# Allegro board 08_041351d.brd (continued)
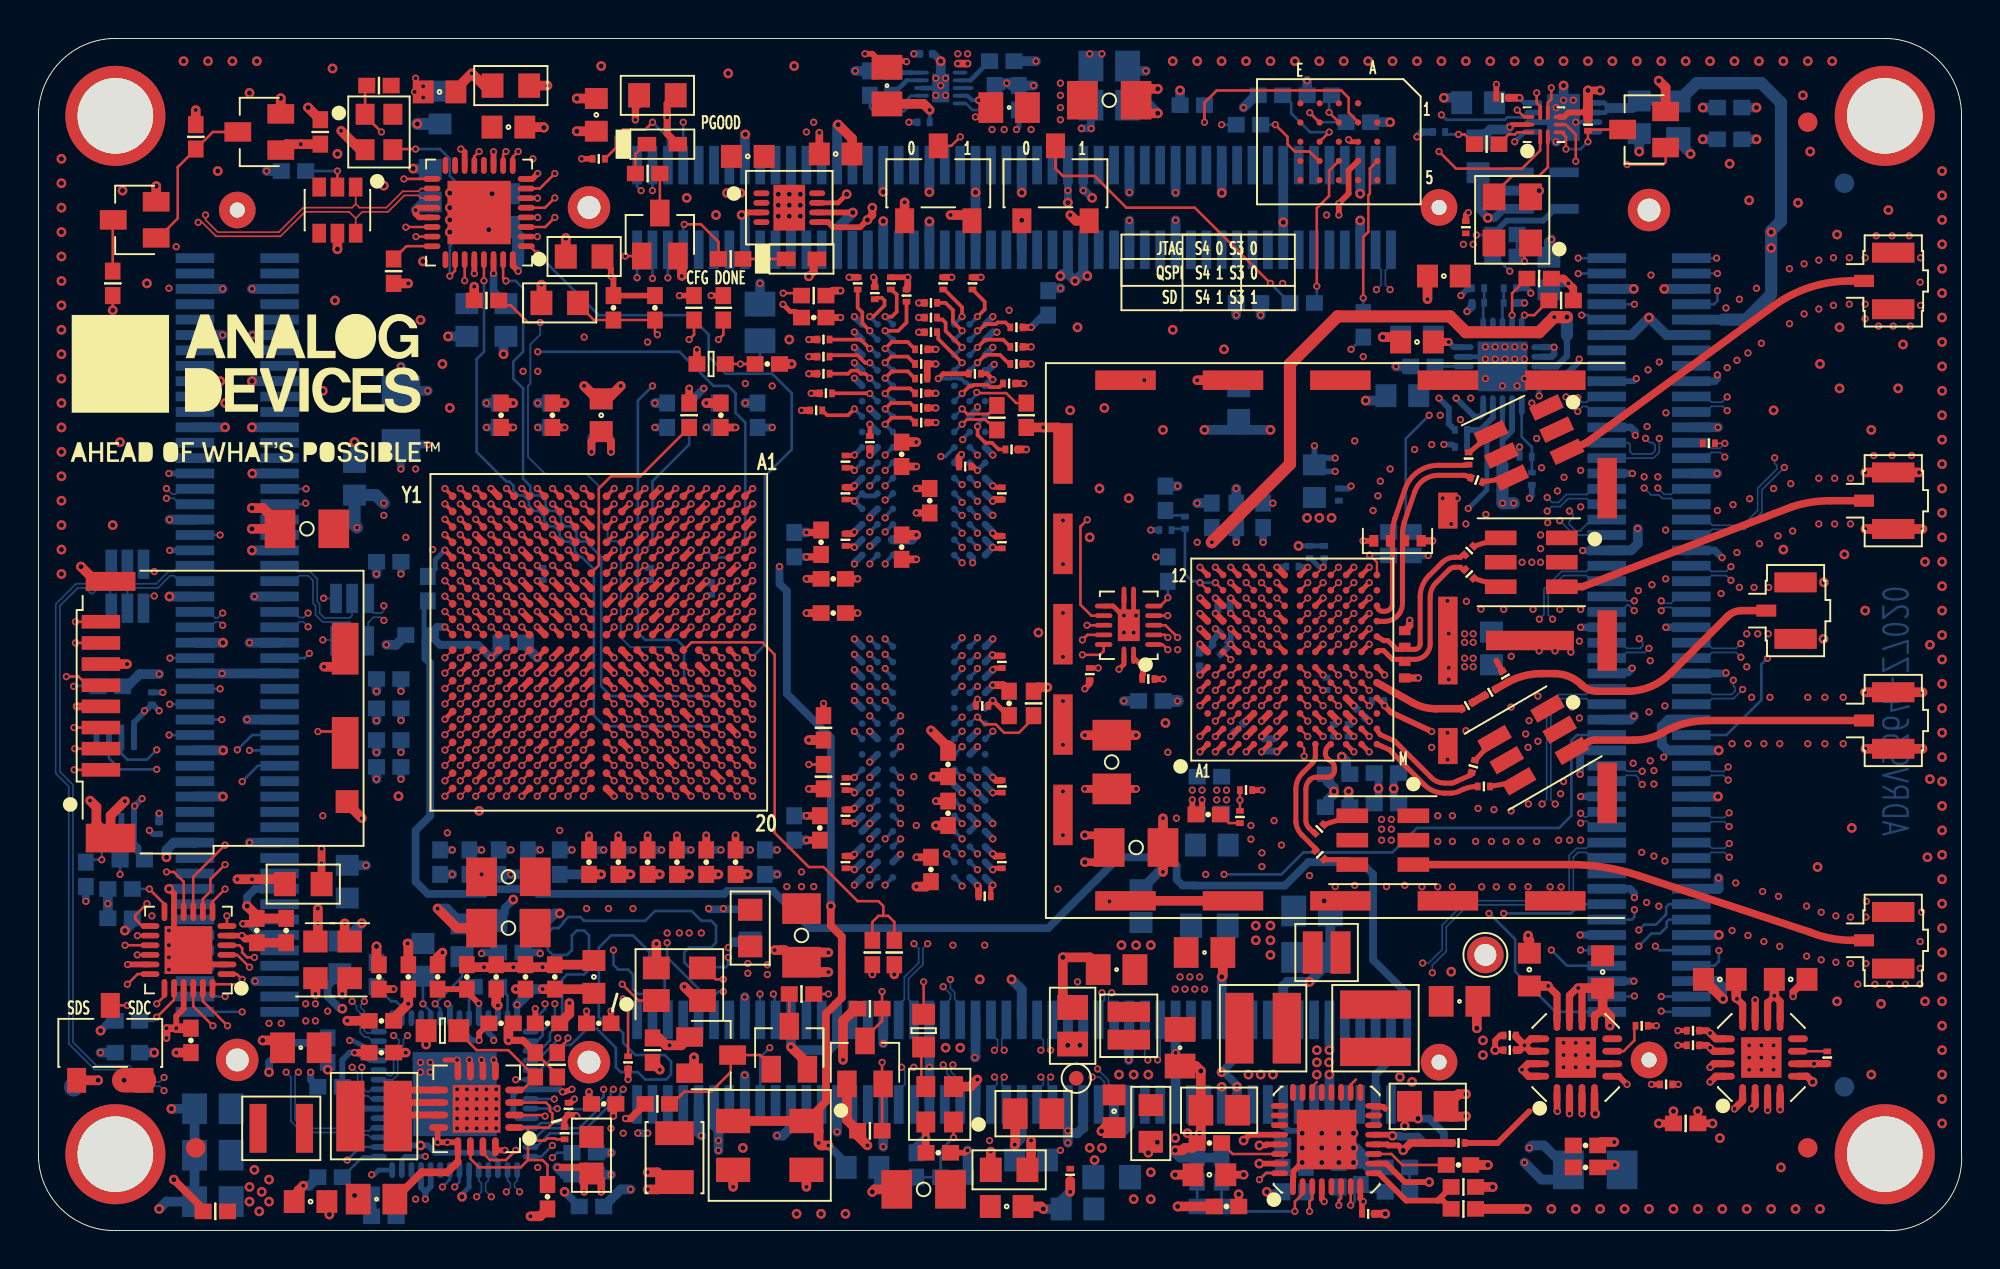
[diagram p0: board, top side]
## Routing (per net, layer and track width the routed paths; a pad name or vN(x,y) marks a point on that pad's centre or on a via; arc(x,y) is an arc through that point) (continued)
DDR3_DQ14: length 33
  TOP w0.197: U1.H1 v1(31.54,38.59)
  L12_SIGNAL w0.14: v1(31.54,38.59) 31.93,38.19 31.93,36.88 32.26,36.55 32.49,36.55 32.77,36.26 32.77,31.24 32.99,31.03 33.14,31.03 34.37,29.79 34.37,29.64 34.59,29.43 34.87,29.43 35.17,29.12 35.17,28.84 35.39,28.63 35.67,28.63 35.97,28.32 35.97,28.04 36.19,27.83 36.47,27.83 36.77,27.52 36.77,27.24 36.99,27.03 38.67,27.03 39.04,26.65 39.04,23.65 39.43,23.26 39.43,22.71 39.8,22.34 40.35,22.34 42.23,20.46 42.27,20.46 42.72,20 43.3,20 43.38,19.93 43.59,19.72 43.7,19.72 43.76,19.65 44.23,19.65 44.68,19.2 45.34,19.2 45.5,19.05 48.54,19.05 v1(48.83,18.77)
  BOTTOM w0.197: v1(48.83,18.77) U2.B8
DDR3_DQ15: length 33.1
  TOP w0.197: U1.J1 v1(30.74,38.59)
  L12_SIGNAL w0.14: v1(30.74,38.59) 30.45,38.59 30.01,38.15 29.64,38.15 29.52,38.02 29.52,30.84 29.64,30.72 29.9,30.72 30.03,30.59 30.03,30.48 30.37,30.13 30.37,29.64 30.59,29.43 30.86,29.43 31.17,29.12 31.17,28.84 31.39,28.63 31.66,28.63 31.97,28.32 31.97,28.04 32.19,27.83 32.46,27.83 32.77,27.52 32.77,27.24 32.99,27.03 33.26,27.03 33.57,26.72 33.57,26.44 33.79,26.23 34.06,26.23 34.37,25.92 34.37,25.64 34.59,25.43 34.86,25.43 35.17,25.12 35.17,24.84 35.39,24.63 35.66,24.63 35.9,24.39 35.9,22.52 36.19,22.23 36.23,22.23 36.63,21.83 37.14,21.83 41.84,17.13 43.74,17.13 44.03,17.41 v1(44.03,17.97)
  BOTTOM w0.197: U2.A3 v1(44.03,17.97)
DDR3_DQ16: length 30.3
  TOP w0.197: U1.P1 v1(25.94,38.59)
  L15_SIGNAL w0.14: v1(25.94,38.59) 25.94,39.83 26.21,40.11 30.28,40.11 30.66,40.49 39.55,40.49 39.93,40.88 41.45,40.88 41.71,40.62 41.71,40.24 41.58,40.11 39.65,40.11 39.42,39.89 39.42,39.57 39.65,39.35 41.45,39.35 41.58,39.22 41.58,38.97 41.45,38.84 40.44,38.84 40.31,38.72 40.31,38.21 40.53,37.99 41.98,37.99 42.28,38.29 42.58,38.29 42.87,37.99 v1(44.03,37.99)
  BOTTOM w0.197: v1(44.03,37.99) 44.09,37.99 U3.E3
DDR3_DQ17: length 30.2
  TOP w0.197: U1.P3 v1(25.94,36.99)
  L4_SIGNAL w0.14: v1(48.03,38.79) 46.93,37.7 44.5,37.7 44.25,37.45 41.33,37.45 39.8,38.97 37.06,38.97 36.92,39.11 36.92,39.73 36.79,39.86 36.49,39.86 36.36,39.73 36.36,39.11 36.22,38.97 35.94,38.97 35.8,39.11 35.8,39.59 35.66,39.73 35.38,39.73 35.24,39.59 35.24,39.11 35.1,38.97 31.93,38.97 30.91,39.99 28.37,39.99 28.11,40.25 26.99,40.25 26.34,39.61 26.34,37.45 25.94,37.04 v1(25.94,36.99)
  BOTTOM w0.197: v1(48.03,38.79) 47.96,38.79 U3.F7
DDR3_DQ18: length 30.4
  TOP w0.197: U1.R3 v1(25.14,36.99)
  L4_SIGNAL w0.14: v1(25.14,36.99) 25.14,37 25.57,37.44 25.57,39.85 26.34,40.62 28.12,40.62 28.37,40.88 28.37,43.29 28.63,43.54 30.28,43.54 30.53,43.29 30.53,40.88 30.79,40.62 32.62,40.62 32.76,40.48 32.76,40.13 32.9,39.99 33.18,39.99 33.32,40.13 33.32,40.48 33.46,40.62 33.73,40.62 33.87,40.48 33.87,40.13 34.01,39.99 34.29,39.99 34.43,40.13 34.43,40.48 34.57,40.62 39.04,40.62 41.07,38.59 42.06,38.59 42.28,38.37 42.58,38.37 42.8,38.59 43.09,38.59 v1(43.23,38.73)
  BOTTOM w0.197: U3.F2 v1(43.23,38.73)
DDR3_DQ19: length 30.3
  TOP w0.197: U1.R1 v1(25.14,38.59)
  L15_SIGNAL w0.14: v1(48.83,38.79) 47.42,40.2 47.42,40.37 47.17,40.62 45.78,40.62 44.25,39.09 42.34,39.09 42.06,39.37 42.06,40.48 42.09,40.5 42.09,41 41.84,41.26 39.55,41.26 39.17,40.88 25.71,40.88 25.14,40.3 v1(25.14,38.59)
  BOTTOM w0.197: v1(48.83,38.79) 48.76,38.79 U3.F8
DDR3_DQ20: length 30.3
  TOP w0.197: U1.T4 v1(24.34,36.19)
  L16_SIGNAL w0.14: v1(24.34,36.19) 23.9,36.63 22.89,36.63 22.6,36.63 22.3,36.32 22.3,35.29 22.56,35.03 24.56,35.03 24.77,35.24 24.77,35.54 24.99,35.75 25.28,35.75 25.57,36.04 25.57,37.94 25.86,38.23 26.09,38.23 26.37,38.52 26.37,38.74 26.59,38.95 26.7,38.95 27.74,39.99 30.28,39.99 30.79,40.49 40.57,40.49 40.82,40.75 43.61,40.75 v1(44.03,40.33)
  BOTTOM w0.197: U3.H3 v1(44.03,40.33)
DDR3_DQ21: length 30.4
  TOP w0.197: U1.U4 23.93,35.79 v1(23.53,36.19)
  L13_SIGNAL w0.14: v1(23.53,36.19) 23.93,36.59 23.93,38.59 23.97,38.63 23.97,38.74 26,40.76 26.36,40.76 26.37,40.77 28.12,40.77 28.34,40.99 30.42,40.99 30.63,40.77 36.47,40.77 36.5,40.75 39.68,40.75 40.31,40.11 42.13,40.11 42.28,39.97 44.18,39.97 44.32,40.11 45.9,40.11 46.15,39.86 48.19,39.86 48.66,40.33 v1(48.83,40.33)
  BOTTOM w0.197: U3.H8 v1(48.83,40.33)
DDR3_DQ22: length 30.3
  TOP w0.197: v1(23.53,37.79) 23.93,37.39 U1.U2
  L15_SIGNAL w0.14: v1(23.53,37.79) 23.11,38.21 21.01,38.21 20.99,38.23 20.75,38.23 20.63,38.35 20.63,39.1 22.79,41.26 38.91,41.26 39.3,41.64 42.34,41.64 42.85,41.13 42.85,39.9 v1(43.23,39.53)
  BOTTOM w0.197: U3.G2 v1(43.23,39.53)
DDR3_DQ23: length 30.3
  TOP w0.197: v1(23.53,36.99) 23.93,36.59 U1.U3
  L13_SIGNAL w0.14: v1(23.53,36.99) 23.17,37.35 23.17,38.97 22.79,39.35 22.79,40.62 23.42,41.26 26.48,41.26 26.6,41.38 29.91,41.38 30.03,41.26 44.12,41.26 44.76,40.62 46.55,40.62 v1(46.92,40.25)
  BOTTOM w0.197: v1(46.92,40.25) 47.15,40.25 U3.H7
DDR3_DQ24: length 30.5
  TOP w0.197: U1.V1 v1(22.74,38.59)
  L7_SIGNAL w0.14: v1(22.74,38.59) 23.12,38.97 23.55,38.97 24.07,39.49 25.47,39.49 25.49,39.5 28.17,39.5 28.19,39.49 34.89,39.49 35.03,39.63 35.03,39.97 35.17,40.11 35.44,40.11 35.58,39.97 35.58,39.63 35.72,39.49 36,39.49 36.14,39.63 36.14,39.97 36.28,40.11 36.56,40.11 36.7,39.97 36.7,39.63 36.84,39.49 38.77,39.49 38.78,39.48 40.44,39.48 41.96,37.95 41.96,37.82 43.08,36.7 43.34,36.7 43.36,36.68 43.87,36.68 43.88,36.69 45.78,36.69 46.79,37.7 47.52,37.7 v1(48.03,37.19)
  BOTTOM w0.197: U3.D7 47.96,37.19 v1(48.03,37.19)
DDR3_DQ25: length 30.5
  TOP w0.197: U1.Y3 v1(21.14,36.99)
  L13_SIGNAL w0.14: v1(44.03,36.33) 43.66,36.69 42.84,36.69 42.47,37.07 39.29,37.07 37.76,38.59 37.76,39.11 36.36,40.51 30.8,40.51 30.29,40 28.61,40 28.59,40.01 25.73,40.01 24.7,38.98 24.7,36.04 24.48,35.83 21.79,35.83 21.57,36.04 21.57,36.26 21.14,36.7 v1(21.14,36.99)
  BOTTOM w0.197: U3.C3 v1(44.03,36.33)
DDR3_DQ26: length 30.6
  TOP w0.197: U1.W1 v1(21.94,38.59)
  L7_SIGNAL w0.14: v1(21.94,38.59) 22.02,38.59 22.4,38.21 23.66,38.21 23.97,38.52 23.97,38.74 24.46,39.22 25.58,39.22 25.6,39.24 28.06,39.24 28.08,39.22 38.66,39.22 38.67,39.21 39.31,39.21 41.71,36.81 42.47,36.81 42.86,36.42 42.86,36.18 43.09,35.95 45.01,35.95 45.17,35.8 47.78,35.8 47.88,35.89 48.45,35.89 v1(48.83,36.27)
  BOTTOM w0.197: U3.C8 48.83,36.33 v1(48.83,36.27)
DDR3_DQ27: length 30.4
  TOP w0.197: U1.Y4 v1(21.14,36.19)
  L13_SIGNAL w0.14: v1(21.14,36.19) 21.14,35.9 21.57,35.46 21.57,35.24 21.79,35.03 25.32,35.03 25.57,35.28 25.57,38.97 26.35,39.75 28.48,39.75 28.5,39.73 30.53,39.73 31.04,40.24 35.99,40.24 37.28,38.95 37.29,38.95 37.5,38.74 37.5,38.48 39.3,36.68 41.45,36.68 42.22,35.92 42.82,35.92 v1(43.23,36.33)
  BOTTOM w0.197: U3.C2 v1(43.23,36.33)
DDR3_DQ28: length 30.5
  TOP w0.197: U1.Y2 v1(21.14,37.79)
  L15_SIGNAL w0.14: v1(21.14,37.79) 21.9,37.35 22.89,37.35 23.1,37.14 23.1,36.91 23.38,36.63 24.99,36.63 26.88,36.63 27.17,36.92 27.17,37.14 27.46,37.43 30,37.43 30.09,37.43 30.3,37.64 30.37,37.94 30.59,38.15 30.6,38.15 30.66,38.21 37.51,38.21 39.55,36.94 39.57,36.93 42.29,35.95 44.34,35.95 44.5,35.8 46.96,35.8 v1(48.03,34.73)
  BOTTOM w0.197: U3.A7 v1(48.03,34.73)
DDR3_DQ29: length 30.5
  TOP w0.197: U1.W3 v1(21.94,36.99)
  L15_SIGNAL w0.14: v1(43.23,34.67) 43.75,34.14 44.53,34.14 44.76,33.92 44.76,33.61 44.53,33.38 41.96,33.38 41.14,34.21 40.13,34.21 40.08,34.25 39.82,34.25 37.52,36.56 30.59,36.56 30.3,36.26 30.3,36.04 30.09,35.83 28.28,35.83 28.2,35.75 28.19,35.75 27.97,35.54 27.97,35.32 27.69,35.03 22.59,35.03 22.3,35.32 22.3,35.54 22.01,35.83 21.79,35.83 21.57,36.04 21.57,36.63 v1(21.94,36.99)
  BOTTOM w0.197: U3.A2 43.23,34.73 v1(43.23,34.67)
DDR3_DQ30: length 30.1
  TOP w0.197: U1.V2 v1(22.74,37.79)
  L15_SIGNAL w0.14: v1(22.74,37.79) 22.91,37.62 23,37.62 23.19,37.43 26.88,37.43 27.17,37.72 27.17,37.94 27.39,38.15 30.09,38.15 30.37,38.44 30.37,38.74 30.58,38.95 30.63,38.95 30.78,39.1 38.03,39.1 39.93,37.19 42.34,37.19 42.84,36.69 48.11,36.69 48.39,36.42 48.39,35.97 v1(48.83,35.53)
  BOTTOM w0.197: U3.B8 v1(48.83,35.53)
DDR3_DQ31: length 30.5
  TOP w0.197: U1.V3 v1(22.74,36.99)
  L15_SIGNAL w0.14: v1(22.74,36.99) 22.3,36.55 22.3,36.12 22.59,35.83 26.88,35.83 27.17,36.12 27.17,36.34 27.39,36.55 27.6,36.55 27.61,36.56 30.02,36.56 30.37,36.91 30.37,37.14 30.59,37.35 37.61,37.35 39.57,35.39 40.08,35.39 40.31,35.16 44.76,35.16 44.88,35.29 45.77,35.29 45.79,35.27 45.8,35.27 46.01,35.06 46.01,34.76 45.8,34.55 45.79,34.55 45.77,34.53 45.14,34.53 45.01,34.65 44.04,34.65 v1(44.03,34.67)
  BOTTOM w0.197: v1(44.03,34.67) 44.03,34.73 U3.A3
DDR3_DQS0_N: length 30.4
  TOP w0.152: v1(36.34,37.79) U1.B2
  L12_SIGNAL w0.13: v1(44.83,22.77) 44.8,22.77 44.63,22.59 44.63,22.33 44.5,22.21 44.35,22.21 44.25,22.31 44.25,24.47 43.72,25 42.09,25 41.45,25.64 41.45,29.95 39.3,32.11 39.3,33.89 39.04,34.14 38.15,34.14 37.9,33.89 37.9,30.91 37.39,30.4 36.99,30.4 36.61,30.78 36.56,30.78 36.47,30.88 36.47,30.97 36.6,31.1 36.63,31.1 36.76,31.22 36.76,37.32 36.34,37.74 v1(36.34,37.79)
  BOTTOM w0.152: U2.G3 v1(44.83,22.77)
DDR3_DQS0_P: length 30.4
  TOP w0.152: U1.C2 v1(35.54,37.79)
  L12_SIGNAL w0.13: v1(44.83,21.97) 44.81,21.95 44.25,21.95 43.99,22.21 43.99,24.37 43.62,24.74 41.98,24.74 41.2,25.53 41.2,29.85 39.04,32.01 39.04,33.78 38.93,33.89 38.26,33.89 38.15,33.78 38.15,30.8 37.5,30.14 36.88,30.14 36.5,30.53 36.45,30.53 35.98,31 35.98,37.35 v1(35.54,37.79)
  BOTTOM w0.152: U2.F3 v1(44.83,21.97)
DDR3_DQS1_N: length 32.8
  TOP w0.152: U1.F2 v1(33.14,37.79)
  L6_SIGNAL w0.13: v1(33.14,37.79) 33.14,38.12 33.23,38.21 33.41,38.21 33.53,38.08 33.53,36.08 33.79,35.83 34.08,35.83 34.34,35.57 34.34,31.22 34.09,30.97 34.09,30.82 34.32,30.59 36.35,30.59 36.54,30.4 36.59,30.4 36.87,30.12 36.96,30.12 36.99,30.14 37.28,30.14 37.49,29.94 37.49,29.64 37.46,29.61 37.46,29.53 37.75,29.24 37.75,29.2 37.9,29.05 37.9,22.97 39.95,20.91 40.18,20.91 40.54,20.56 40.54,20.32 41.71,19.16 42.9,19.16 42.94,19.12 43.37,19.12 43.59,18.9 46.41,18.9 46.53,19.03 46.79,19.03 46.92,18.9 47.06,18.9 47.4,19.24 47.4,19.42 v1(47.23,19.59)
  BOTTOM w0.152: v1(47.23,19.59) 47.23,19.57 U2.B7
DDR3_DQS1_P: length 32.8
  TOP w0.152: U1.G2 v1(32.34,37.79)
  L6_SIGNAL w0.13: v1(48.03,19.59) 47.68,19.24 47.68,19.16 47.17,18.65 43.61,18.65 43.37,18.41 42.28,18.41 42.07,18.62 42.07,18.79 41.96,18.9 41.6,18.9 40.29,20.22 40.29,20.45 40.08,20.66 39.85,20.66 37.64,22.86 37.64,23.07 37.64,28.94 37.49,29.09 37.49,29.14 37.28,29.34 37.24,29.34 37.15,29.43 36.99,29.43 36.78,29.64 36.78,29.8 36.69,29.89 36.69,29.94 36.48,30.14 36.44,30.14 36.25,30.33 34.22,30.33 33.83,30.72 33.83,30.97 33.58,31.22 33.58,35.68 33.42,35.83 32.99,35.83 32.78,36.04 32.78,37.35 v1(32.34,37.79)
  BOTTOM w0.152: v1(48.03,19.59) 48,19.59 U2.C7
DDR3_DQS2_N: length 30.5
  TOP w0.152: U1.T2 v1(24.34,37.79)
  L4_SIGNAL w0.13: v1(44.03,39.53) 43.73,39.53 43.37,39.89 42.28,39.89 42.07,39.68 41.38,39.68 39.8,41.26 31.45,41.26 31.19,41.51 31.19,44.03 30.66,44.56 28.12,44.56 27.71,44.15 27.71,41.62 27.51,41.41 27.36,41.26 25.6,41.26 24.18,39.84 24.18,38.97 23.93,38.72 23.93,38.21 24.34,37.8 v1(24.34,37.79)
  BOTTOM w0.152: U3.G3 v1(44.03,39.53)
DDR3_DQS2_P: length 30.5
  TOP w0.152: U1.R2 v1(25.14,37.79)
  L4_SIGNAL w0.13: v1(25.14,37.79) 25.1,37.83 24.82,37.83 24.69,37.95 24.69,38.74 24.44,38.99 24.44,39.73 25.71,41 27.46,41 27.61,41.15 27.97,41.51 27.97,44.05 28.23,44.3 30.55,44.3 30.94,43.92 30.94,41.41 31.34,41 39.69,41 41.28,39.42 41.77,39.42 42.01,39.17 43.92,39.17 43.99,39.1 43.99,38.76 v1(44.03,38.73)
  BOTTOM w0.152: U3.F3 v1(44.03,38.73)
DDR3_DQS3_N: length 30.3
  TOP w0.152: U1.W4 v1(21.94,36.19)
  L4_SIGNAL w0.13: v1(21.94,36.19) 21.94,36.14 22.28,35.8 22.97,35.8 23.17,35.6 23.17,35.25 23.38,35.03 23.68,35.03 23.88,35.24 23.88,35.62 24.06,35.8 28.76,35.8 28.88,35.92 29.65,35.92 29.77,35.8 37.26,35.8 38.15,36.68 40.31,36.68 41.58,35.41 42.04,35.41 42.28,35.17 43.5,35.17 43.74,35.41 46.28,35.41 46.79,35.92 46.92,35.92 47.17,35.67 47.42,35.67 47.68,35.92 47.77,35.92 48.03,35.67 v1(48.03,35.53)
  BOTTOM w0.152: U3.B7 v1(48.03,35.53)
DDR3_DQS3_P: length 30.3
  TOP w0.152: U1.W5 v1(21.94,35.39)
  L4_SIGNAL w0.13: v1(21.94,35.39) 21.94,35.68 21.58,36.04 21.58,36.34 21.79,36.54 22.14,36.54 22.15,36.56 28.5,36.56 28.88,36.18 29.39,36.18 29.77,36.56 37.66,36.56 38.05,36.94 40.42,36.94 41.69,35.67 42.06,35.67 42.28,35.89 42.43,35.89 42.53,35.98 43.07,35.98 43.08,35.97 43.49,35.97 43.79,35.67 46.17,35.67 46.68,36.18 47.94,36.18 v1(48.03,36.27)
  BOTTOM w0.152: U3.C7 48.03,36.33 v1(48.03,36.27)
DDR3_ODT: length 55.5
  TOP w0.197: v1(42.43,42.73) 42.1,42.4 41.01,42.4 R162.1 ; U1.N5 v1(26.74,35.39)
  L12_SIGNAL w0.14: v1(42.43,25.97) 42.79,26.33 43.3,26.33 43.59,26.62 43.59,28.53 43.87,28.81 44.12,28.81 44.5,29.19 44.5,32.62 42.85,34.27 42.85,40.62 42.43,41.05 v1(42.43,42.73)
  L16_SIGNAL w0.14: v1(42.43,25.97) 42.43,26.78 41.33,27.88 41.33,28.3 41.48,28.46 41.68,28.46 42.2,27.94 42.58,27.94 42.58,27.94 43.08,27.94 43.08,27.94 43.38,27.94 43.61,28.18 43.61,31.86 41.58,33.89 41.58,36.43 39.8,38.21 29.64,38.21 29.14,37.7 29.14,35.41 28.75,35.03 27.11,35.03 26.75,35.39 v1(26.74,35.39)
  BOTTOM w0.197: U2.K1 v1(42.43,25.97) ; U3.K1 v1(42.43,42.73)
DDR3_RAS#: length 53
  TOP w0.197: v1(44.03,41.93) 44.37,42.27 45.33,42.27 R156.1 ; U1.P4 v1(25.94,36.19)
  L12_SIGNAL w0.14: v1(44.83,25.17) 44.83,25.2 45.26,25.64 45.26,27.6 45.4,27.74 45.63,27.74 45.77,27.88 45.77,28.16 45.63,28.3 45.4,28.3 45.26,28.44 45.26,28.72 45.4,28.86 45.63,28.86 45.77,29 45.77,29.28 45.63,29.42 45.4,29.42 45.26,29.56 45.26,40.69 v1(44.03,41.93)
  L16_SIGNAL w0.14: v1(44.83,25.17) 44.39,25.85 44.39,31.86 42.79,34.47 42.79,34.82 42.58,35.03 42.48,35.03 42.34,35.17 42.28,35.17 42.06,35.38 42.06,35.44 41.96,35.54 41.96,36.56 40.06,38.46 37.39,38.97 29.77,38.97 28.57,38.15 28.19,38.15 27.97,37.94 27.97,37.68 27.64,37.35 27.39,37.35 27.17,37.14 27.17,36.92 26.89,36.63 26.37,36.63 v1(25.94,36.19)
  BOTTOM w0.197: U3.J3 v1(44.03,41.93) ; U2.J3 v1(44.83,25.17)
DDR3_RST#: length 52.3
  TOP w0.197: R133.1 43.56,48.51 43.85,48.51 43.99,48.37 43.99,48.11 43.41,47.53 v1(43.23,47.53) ; v1(36.34,36.19) U1.B4
  L12_SIGNAL w0.14: v1(43.23,30.77) 43.19,30.8 43.19,31.14 42.89,31.44 42.26,31.44 41.33,32.37 41.33,44.94 42.06,45.68 42.06,46.08 42.28,46.29 42.68,46.29 42.85,46.46 42.85,47.15 v1(43.23,47.53)
  L16_SIGNAL w0.14: v1(43.23,30.77) 41.71,32.28 41.71,33.26 41.58,33.38 41.07,33.38 40.95,33.26 40.95,32.33 40.82,32.2 40.44,32.2 40.31,32.33 40.31,33.89 40.44,34.02 40.82,34.02 40.95,34.14 40.95,36.56 39.93,37.57 37.43,37.57 37.29,37.43 29.75,37.43 29.52,37.19 29.52,36.81 29.78,36.55 35.69,36.55 35.69,36.54 35.98,36.54 v1(36.34,36.19)
  BOTTOM w0.197: v1(43.23,47.53) U3.T2 ; U2.T2 v1(43.23,30.77)
DDR3_WE#: length 51
  TOP w0.197: U1.M5 v1(27.54,35.39) ; v1(44.03,43.53) 44.29,43.8 45.33,43.8 R155.1
  L6_SIGNAL w0.14: v1(44.03,43.53) 44.03,43.32 43.61,42.91 43.61,35.92 44.31,35.22 44.82,35.22 44.95,35.1 44.95,34.59 46.03,33.51 46.03,27.97 v1(44.83,26.77)
  L7_SIGNAL w0.14: v1(27.54,35.39) 27.5,35.42 27.24,35.42 27.14,35.32 27.14,35.13 27.3,34.97 27.67,34.97 27.9,34.74 27.9,34.49 28.24,34.15 28.49,34.15 28.7,33.94 28.7,33.52 28.96,33.25 28.96,32.83 29.24,32.55 30.09,32.55 30.3,32.34 30.3,32.09 30.64,31.75 30.91,31.75 31.04,31.62 31.04,31.59 31.1,31.54 31.1,31.24 31.04,31.18 31.04,30.84 31.17,30.72 37.9,30.72 38.03,30.59 38.03,29.82 39.98,27.87 41,27.87 41.33,27.54 41.33,26.92 41.58,26.66 42.61,26.66 42.98,27.03 42.98,27.03 43.11,27.16 46.92,27.16 47.04,27.03 47.04,26.89 46.92,26.77 v1(44.83,26.77)
  BOTTOM w0.197: U3.L3 v1(44.03,43.53) ; U2.L3 v1(44.83,26.77)
DX_0_N: length 54.8
  TOP w0.089: U1.M10 v1(27.54,31.39)
  L4_SIGNAL w0.089: v1(27.54,31.39) 27.56,31.39 27.9,31.73 37.2,31.73 37.52,32.05 38.96,32.05 39.53,32.62 49.43,32.62 52.12,35.31 52.12,37.53 61.24,46.65 69.08,46.65 70.28,47.86 v1(70.28,48.93)
  BOTTOM w0.089: v1(70.28,48.93) 70.04,49.18 70.04,49.94 70.33,50.23 JX1.100
DX_0_P: length 54.8
  TOP w0.089: U1.M9 v1(27.54,32.19)
  L4_SIGNAL w0.089: v1(69.57,48.93) 69.77,48.74 69.91,48.74 70.03,48.62 70.03,47.97 68.97,46.91 61.14,46.91 51.87,37.64 51.87,35.41 49.33,32.87 39.42,32.87 38.85,32.3 37.52,32.3 37.23,32.6 27.66,32.6 27.54,32.47 v1(27.54,32.19)
  BOTTOM w0.089: JX1.98 69.53,50.23 69.82,49.94 69.82,49.18 v1(69.57,48.93)
ETH_MD1_N: length 30.1
  L12_SIGNAL w0.089: v1(16.31,11.92) 16.5,12.11 16.5,14.21 16.19,14.51 16.13,14.51 15.29,15.35 15.29,17.13 15.42,17.25 15.42,23.5 10.59,28.32 10.59,29.21 10.23,29.57 8.96,29.57 8.31,30.23 8.31,31.46 8.96,32.11 v1(9.58,32.11)
  BOTTOM w0.089: v1(16.31,11.92) 16.54,11.69 16.54,11.51 16.73,11.32 16.73,10.31 16.98,10.05 17.16,10.05 17.37,9.84 U10.27 ; JX3.53 8.88,32.17 9.2,31.86 9.32,31.86 v1(9.58,32.11)
ETH_MD1_P: length 30.1
  L12_SIGNAL w0.089: v1(16.94,11.92) 16.75,12.11 16.75,12.68 16.94,12.87 16.94,13.32 16.75,13.51 16.75,13.82 17.07,14.14 17.07,14.46 16.69,14.84 16.56,14.84 16.49,14.77 16.23,14.77 15.55,15.45 15.55,17.02 15.67,17.15 15.67,23.6 10.85,28.43 10.85,29.32 10.34,29.83 9.07,29.83 8.56,30.33 8.56,31.35 9.07,31.86 9.23,31.86 9.32,31.77 9.32,31.73 v1(9.58,31.48)
  BOTTOM w0.089: U10.28 17.4,10.34 17.32,10.27 17.07,10.27 16.94,10.4 16.94,11.41 16.75,11.6 16.75,11.73 v1(16.94,11.92) ; JX3.51 8.93,31.37 9.2,31.64 9.41,31.64 v1(9.58,31.48)
ETH_MD2_N: length 30.7
  L6_SIGNAL w0.089: v1(14.02,32.11) 15.61,32.11 16.31,31.41 16.31,23.58 18.59,21.3 18.59,14.23 17.83,13.47 17.83,12.43 19.19,11.07 v1(19.19,10.14)
  BOTTOM w0.089: JX3.54 13.26,32.17 13.56,31.88 13.79,31.88 v1(14.02,32.11) ; v1(19.19,10.14) 18.98,9.93 18.98,9.63 18.68,9.34 18.68,8.1 18.43,7.84 U10.23
ETH_MD2_P: length 30.7
  L6_SIGNAL w0.089: v1(18.47,10.14) 18.66,10.33 18.81,10.33 18.94,10.46 18.94,10.96 17.58,12.32 17.58,13.57 18.34,14.33 18.34,21.19 16.05,23.48 16.05,31.31 15.5,31.86 14.34,31.86 14.21,31.73 14.21,31.59 v1(14.02,31.4)
  BOTTOM w0.089: v1(14.02,31.4) 13.76,31.66 13.57,31.66 13.28,31.37 JX3.52 ; U10.24 17.92,8.34 18.2,8.06 18.34,8.06 18.47,8.19 18.47,9.43 18.76,9.72 18.76,9.9 v1(18.47,10.14)
ETH_MD3_N: length 42.9
  L12_SIGNAL w0.089: v1(6.02,34.27) 6.28,34.02 11.33,34.02 12.88,32.47 12.88,30.46 16.69,26.65 16.69,23.35 18.47,21.57 18.47,13.82 17.83,13.19 17.83,6.84 17.32,6.33 16.56,6.33 16.31,6.59 v1(16.31,8.49)
  BOTTOM w0.089: v1(6.02,34.27) 5.72,34.27 5.46,34.53 JP2.1 ; v1(16.31,8.49) 16.6,8.2 16.6,7.39 16.98,7 17.14,7 17.3,6.84 U10.21
ETH_MD3_P: length 42.9
  L12_SIGNAL w0.089: v1(6.02,33) 6.02,33.26 5.89,33.38 5.89,33.51 6.15,33.76 6.4,33.76 6.66,33.51 6.78,33.51 7.04,33.76 7.16,33.76 7.42,33.51 7.67,33.51 7.93,33.76 11.23,33.76 12.63,32.37 12.63,30.36 16.44,26.55 16.44,23.24 18.21,21.47 18.21,13.93 17.58,13.29 17.58,6.94 17.22,6.59 16.67,6.59 16.56,6.69 16.56,7.09 16.82,7.35 16.82,7.6 16.56,7.86 16.56,8.24 v1(16.82,8.49)
  BOTTOM w0.089: JP1.1 5.46,32.82 5.64,33 v1(6.02,33) ; v1(16.82,8.49) 16.82,7.48 17.07,7.22 17.2,7.22 17.32,7.34 U10.22
ETH_MD4_N: length 35.5
  L13_SIGNAL w0.089: v1(14.83,32.88) 15.11,32.6 15.11,32.44 15.02,32.34 14.68,32.34 14.15,32.87 13.54,32.87 13.07,32.41 13.07,8.43 v1(12.88,8.24)
  BOTTOM w0.089: U10.17 17.27,4.84 17.14,4.97 16.47,4.97 16.35,5.1 13.71,5.1 13.13,5.68 13.13,7.99 v1(12.88,8.24) ; v1(14.83,32.88) 14.84,32.87 JP4.1
ETH_MD4_P: length 35.5
  L13_SIGNAL w0.089: v1(14.78,30.72) 15.04,30.97 15.04,31.99 14.93,32.09 14.57,32.09 14.04,32.62 13.64,32.62 13.32,32.3 13.32,8.43 v1(13.51,8.24)
  BOTTOM w0.089: JP3.1 15.42,30.72 v1(14.78,30.72) ; v1(13.51,8.24) 13.34,8.07 13.34,5.77 13.8,5.32 16.44,5.32 16.56,5.19 17.2,5.19 17.35,5.34 U10.18
ETH_PHY_LED0: length 21.7
  TOP w0.14: R18.2 v2(3.86,47.86)
  L16_SIGNAL w0.095: v1(6.84,29.77) 6.33,29.77 5.26,30.84 5.26,44.94 3.86,46.34 v2(3.86,47.86)
  BOTTOM w0.14: v1(6.84,29.77) JX3.47
ETH_PHY_LED1: length 46.7
  TOP w0.14: R17.2 v1(41.07,12.3)
  L4_SIGNAL w0.095: v1(41.07,12.3) 39.87,11.09 37.71,11.09 37.14,11.67 37.14,12.3 36.5,12.94 36.5,14.71 35.1,16.11 33.71,16.11 33.26,16.55 32.06,16.55 31.23,15.73 26.21,15.73 25.26,16.68 21.58,16.68 21.07,17.19 15.48,17.19 13.9,18.78 13.9,29.45 14.09,29.64 v1(14.09,30.02)
  BOTTOM w0.14: v1(14.09,30.02) 13.84,29.77 JX3.48
FB0: length 6.4
  TOP w0.14: R48.1 21.86,10.31 22.79,9.38 24.44,9.38 R29.2 25.16,7.31 U18.4
FB_1P8V: length 3.8
  TOP w0.14: U4.32 63.82,2.98 v1(63.49,2.65)
  BOTTOM w0.14: v1(63.49,2.65) 63.87,3.03 64.44,3.03 R39.2 R45.1
FB_1P35V: length 5.8
  TOP w0.305: 72.75,1.56 R35.1 ; 72.75,1.56 73.03,1.56 R34.1 ; 72.75,1.56 71.12,1.56 69.7,2.98 U4.9
FPGA_DONE: length 33.7
  TOP w0.127: U1.R11 v1(25.14,29.79)
  TOP w0.14: R172.2 35.36,51.42 34.45,52.33 v1(33.58,52.33)
  L6_SIGNAL w0.095: v1(25.14,29.79) 25.14,29.89 24.8,30.23 24.8,40.85 25.2,41.26 v1(25.2,44.69)
  L7_SIGNAL w0.095: v1(33.58,52.33) 32.31,51.06 32.31,49 31.29,47.99 27.61,47.99 26.21,46.59 25.71,46.59 25.2,46.08 v1(25.2,44.69)
  BOTTOM w0.14: JX1.8 33.53,52.25 33.58,52.31 v1(33.58,52.33)
FPGA_VBATT: length 110.9
  TOP w0.127: v1(33.14,29.79) U1.F11
  TOP w0.14: v1(26.09,47.23) 25.45,47.23 24.56,48.11 24.18,48.11 R9.2
  L6_SIGNAL w0.102: v1(78.03,43.41) 78.29,43.67 78.29,51.79 71.2,58.88 57.08,58.88 55.66,60.31 45.67,60.31 43.64,58.27 35.1,58.27 34.47,57.64 v1(33.53,57.64) 33.53,58.2 33.2,58.53 30.02,58.53 29.45,57.96 23.48,57.96 22.5,56.97 22.5,54.37 24.44,52.43 24.44,49.89 24.69,49.64 24.69,48.62 v1(26.09,47.23)
  BOTTOM w0.102: v1(33.14,29.79) 33.14,29.89 32.69,30.33 30.79,30.33 30.28,30.84 30.28,35.65 30.08,35.85 29.79,35.85 29.59,36.05 29.59,36.48 29.14,36.94 29.14,38.72 28.5,39.35 26.34,39.35 25.45,40.24 25.45,43.92 25.58,44.05 25.58,46.08 26.09,46.59 v1(26.09,47.23)
  BOTTOM w0.14: JX1.7 v1(33.53,57.64)
  BOTTOM w0.254: v1(78.03,43.41) 78.03,43.83 U24.20
GPO0: length 42.9
  TOP w0.127: v1(62,29.69) 62,29.69 U17.B7
  L16_SIGNAL w0.095: v1(62,29.69) 64.49,29.69 65.69,30.89 69.57,30.89 70.28,31.6 70.28,36.94 75.36,42.02 75.36,43.54 74.73,44.18 74.73,46.46 79.43,51.16 80.49,51.16 81.09,50.57 v1(87.26,50.57)
  BOTTOM w0.14: JX4.1 v1(87.26,50.57)
GPO1: length 35.8
  TOP w0.127: U17.B6 v1(61.2,28.89)
  L16_SIGNAL w0.095: v1(61.2,28.89) U17.B6 64.75,29.29 65.54,30.08 69.58,30.08 70.73,31.22 70.73,36.87 77.78,43.92 77.78,48.29 v1(80.06,50.57)
  BOTTOM w0.14: JX4.2 v1(80.06,50.57)
GPO2: length 48
  TOP w0.127: U17.B5 v1(61.2,28.09)
  L16_SIGNAL w0.095: v1(61.2,28.09) 61.2,28.12 60.76,28.56 60.76,30.08 61.52,30.84 64.82,30.84 65.66,31.68 69.53,31.68 69.84,31.99 69.84,37 74.98,42.15 74.98,43.42 74.41,43.99 74.41,46.65 79.3,51.54 80.8,51.54 81.23,51.11 87.5,51.11 87.81,50.81 87.81,50.27 87.31,49.77 v1(87.3,49.77)
  BOTTOM w0.14: JX4.3 v1(87.3,49.77)
GPO3: length 37.5
  TOP w0.127: U17.B4 v1(61.2,27.29)
  L16_SIGNAL w0.095: v1(61.2,27.29) 61.2,27.32 61.57,27.69 62.13,27.69 62.38,27.95 62.38,28.33 62.56,28.51 64.52,28.51 65.71,29.7 69.9,29.7 71.93,31.73 71.93,33.51 73.74,35.32 74.82,35.32 75.68,36.18 75.68,39.92 78.41,42.65 78.41,48.24 78.67,48.5 79.68,48.5 80.06,48.88 v1(80.06,49.77)
  BOTTOM w0.14: JX4.4 80.06,49.77 v1(80.06,49.77)
INIT_B_0_JX2_09: length 51.4
  TOP w0.14: U1.R10 v1(25.14,31.39) ; R168.2 35.61,46.59 v1(35.36,46.34)
  L6_SIGNAL w0.095: v1(32.69,14.97) 32.31,15.35 32.31,16.87 31.29,17.89 31.29,18.78 30.53,19.54 30.53,21.22 30.44,21.32 30.41,21.32 29.52,22.21 29.52,26.44 28.97,26.98 26.53,26.98 26.32,27.2 26.32,30.21 v1(25.14,31.39) 25.14,31.41 25.58,31.86 25.58,44.3 v1(25.96,44.69)
  L7_SIGNAL w0.095: v1(35.36,46.34) 34.34,45.32 33.71,45.32 33.33,45.7 28.12,45.7 27.1,44.69 v1(25.96,44.69)
  BOTTOM w0.14: v1(32.69,14.97) 32.69,14.21 34.33,12.57 JX2.9
IO_00_34_AD9364_CLKSEL: length 97.1
  TOP w0.127: U1.R19 v1(25.14,23.39)
  TOP w0.14: v1(82.6,55.44) 84.48,55.44 84.61,55.57 Q6.1
  L3_SIGNAL w0.095: v1(76.51,49.89) 76.51,50.78 78.41,52.69 79.85,52.69 v1(82.6,55.44)
  L4_SIGNAL w0.095: v1(39.68,18.65) 38.98,18.65 36.37,21.25 26.72,21.25 25.47,22.5 25.47,23.07 25.16,23.39 v1(25.14,23.39)
  L16_SIGNAL w0.095: v1(39.68,18.65) 40.18,19.16 45.42,19.16 45.5,19.07 47.99,19.07 48.44,19.52 48.44,19.79 49.47,20.83 49.77,20.83 50.18,21.23 50.18,46.86 49.97,47.07 49.97,47.95 50.6,48.58 64.1,48.58 65.08,47.61 69.98,47.61 71.25,48.88 73.2,48.88 74.22,49.89 v1(76.51,49.89)
  BOTTOM w0.14: v1(76.51,49.89) 75.74,50.65 R54.1
IO_00_35_AD9364_RST: length 46.7
  TOP w0.127: U17.K5 v1(68.4,28.09) ; U1.G14 v1(32.34,27.39)
  L4_SIGNAL w0.095: v1(32.34,27.39) 31.93,26.98 31.93,23.22 32.18,22.97 38.79,22.97 39.23,23.41 41.71,23.41 41.96,23.16 53.12,23.16 53.13,23.17 53.22,23.17 53.71,23.67 64,23.67 64.89,24.56 64.89,25.44 65.27,25.83 65.27,28.11 65.71,28.55 68,28.55 68.4,28.16 v1(68.4,28.09)
IO_25_34_JX4: length 67.9
  TOP w0.127: U1.T19 v1(24.34,23.39)
  L3_SIGNAL w0.095: v1(61.65,18.52) 61.14,18.02 55.68,18.02 54.5,16.83 41.91,16.83 41.43,17.32 27.94,17.32 24.74,20.52 24.74,22.98 v1(24.34,23.39)
  BOTTOM w0.14: v1(61.65,18.52) 64.63,18.52 65.77,19.67 70.41,19.67 71.68,20.94 79.07,20.94 79.71,21.57 79.71,25.48 80,25.77 JX4.64
IO_25_35_AD9364_CLKOUT: length 53.6
  TOP w0.127: U1.J15 v1(30.74,26.59) ; U17.J6 v1(67.6,28.89)
  L7_SIGNAL w0.095: v1(30.74,26.59) 30.47,26.59 30.02,26.14 29.64,26.14 29.39,25.89 29.39,24.9 29.69,24.59 30.81,24.59 31.17,24.24 31.17,21.83 32.82,20.17 34.6,20.17 35.36,19.41 36.76,19.41 39.04,17.13 40.06,17.13 41.24,18.3 49.77,18.3 49.8,18.27 54.28,18.27 55.36,19.35 55.36,20.11 59.74,24.49 64.95,24.49 65.58,25.13 66.09,25.13 66.41,25.44 66.41,28.3 66.6,28.49 67.2,28.49 v1(67.6,28.89)